# Allegro board OE19_pdb_1v01_b_0704_1000_customer.brd (continued)
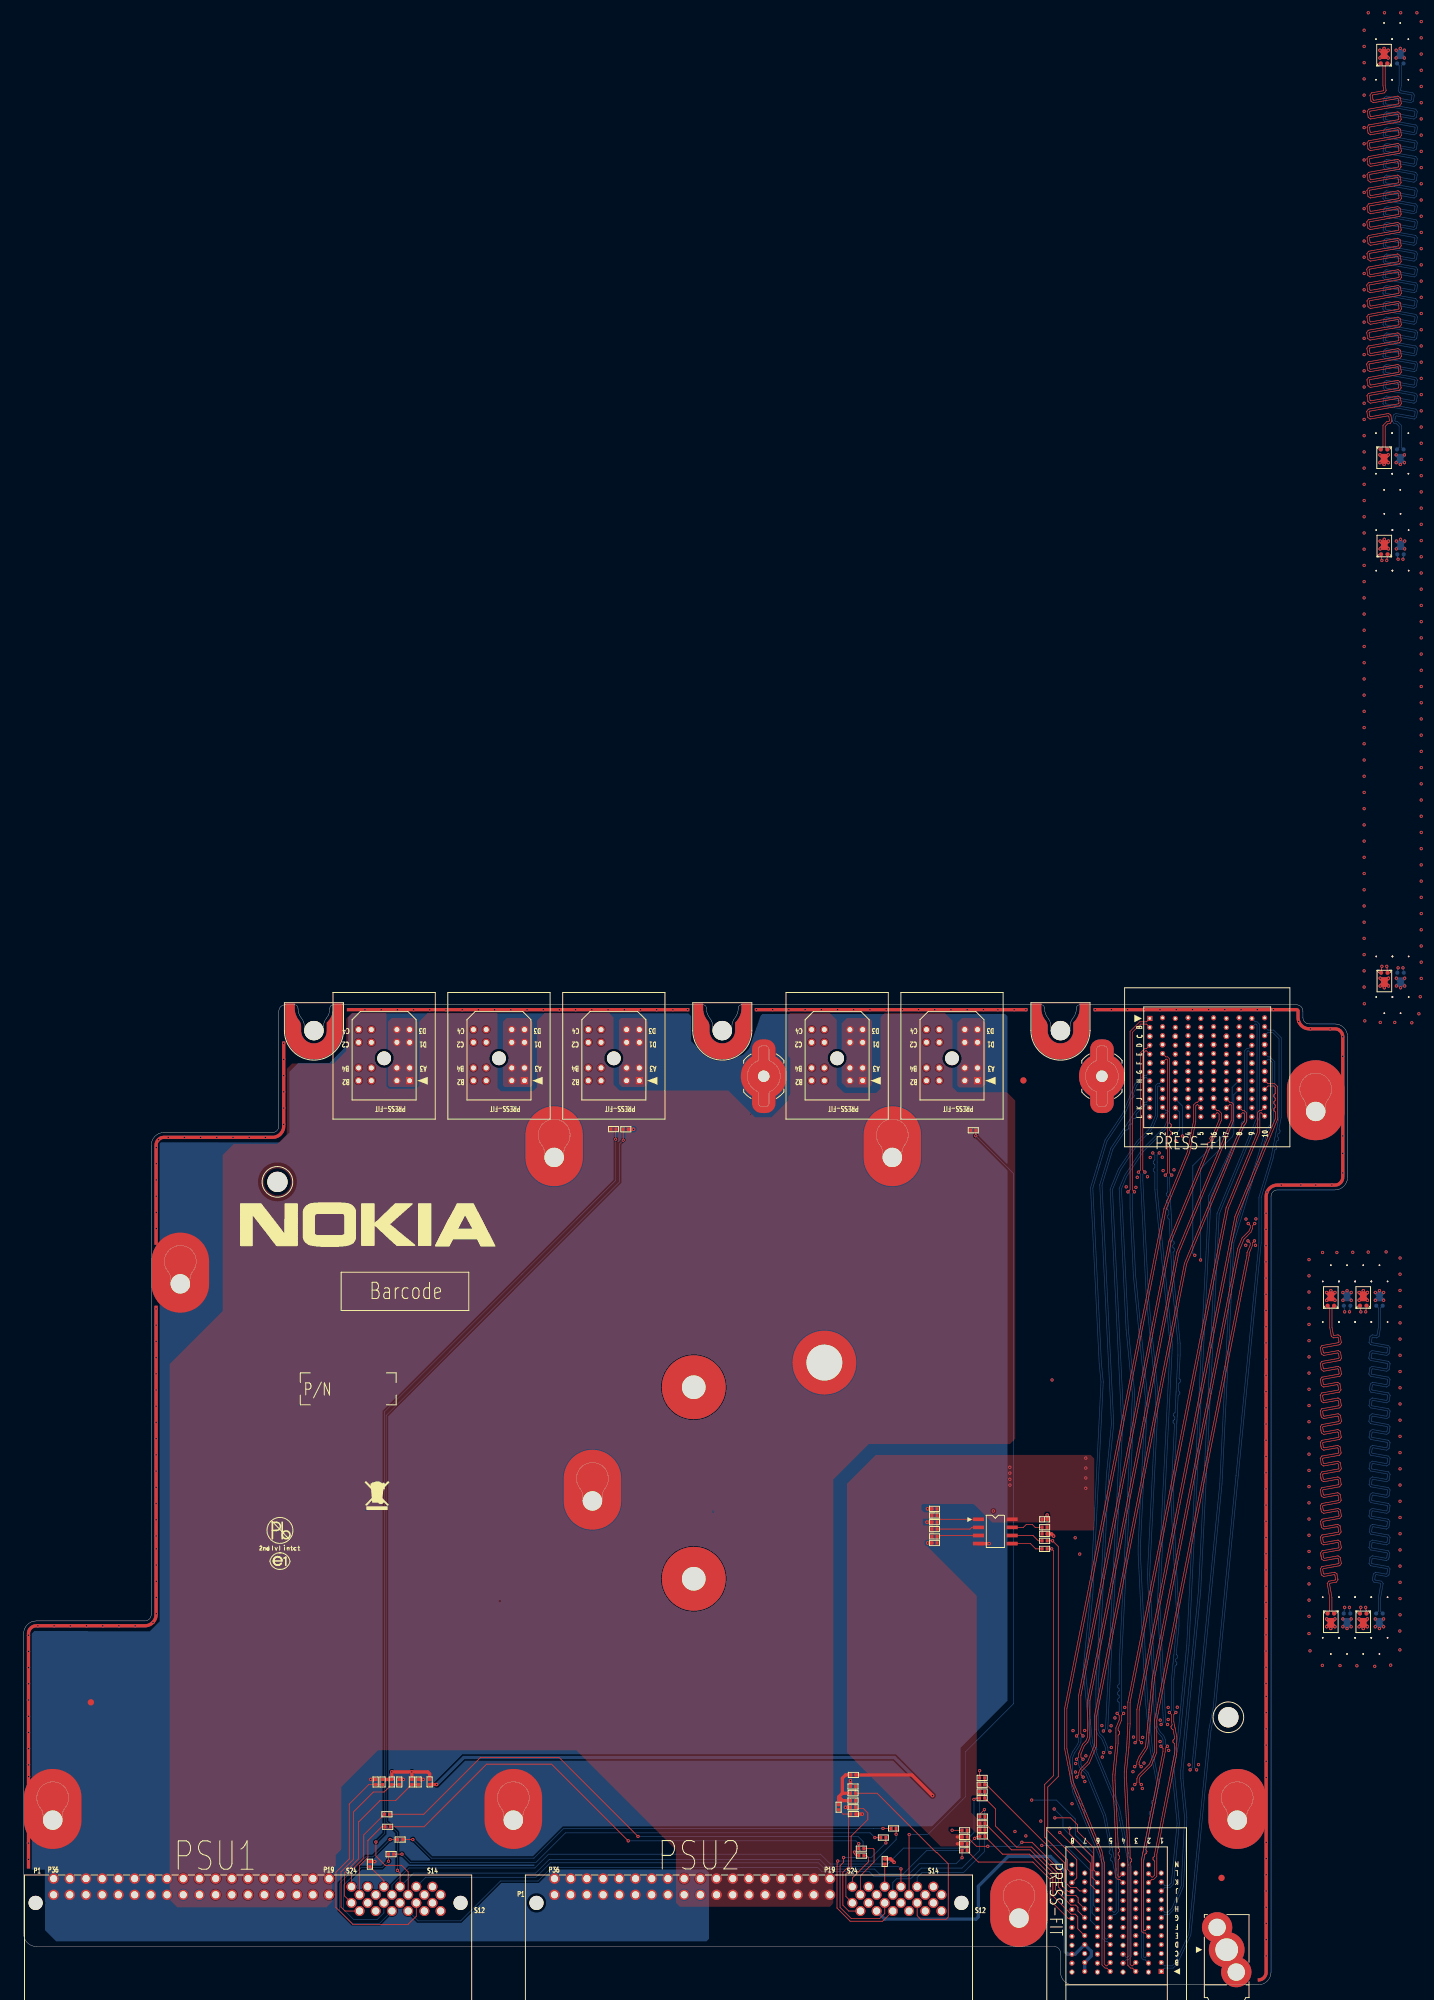
[diagram p0: board, top side]
## Routing (per net, layer and track width the routed paths; a pad name or vN(x,y) marks a point on that pad's centre or on a via; arc(x,y) is an arc through that point) (continued)
LAN_SLED2_MDIP1: length 142.4
  TOP w0.099: v1(174.72,127.3) 175.05,127.63 175.05,146 175.69,146.64 175.98,146.64 J1.D1 ; J9.E2 175.78,8.12 175.49,8.12 175.19,8.42 175.19,19.6 175.63,21.81 178.57,36.58 178.57,37.04 v1(178.24,37.37)
  BOTTOM w0.099: v1(178.24,37.37) 178.57,37.7 178.57,38.37 178.37,38.86 177.85,39.38 177.3,40.41 176.13,64.28 177.44,90.93 177.44,92.51 175.96,107.54 175.05,125.96 175.05,126.97 v1(174.72,127.3)
LAN_SLED2_MDIP2: length 141.9
  IN1 w0.114: J9.H2 176.79,12.29 177.13,12.29 177.59,12.75 177.59,18.29 179.57,28.24 180.41,36.77 180.41,37.64 180.26,38 179.75,38.76 179.82,39.09 179.66,39.34 179.32,39.41 178.99,39.91 178.99,40.48 v1(179.28,40.78)
  IN2 w0.114: J1.B2 178.99,149.57 179.34,149.57 179.73,149.17 179.73,134.96 179.08,133.37 178.35,132.64 177.68,131.04 177.68,130.41 177.8,130.29 v1(177.98,130.29)
  BOTTOM w0.099: v1(177.98,130.29) 177.65,129.96 177.65,124.56 180.04,100.29 178.06,60 178.95,41.88 178.95,41.11 v1(179.28,40.78)
LAN_SLED2_MDIP3: length 134
  TOP w0.099: J9.K2 176.82,16.52 177.11,16.52 177.6,17.01 177.6,20.41 180.72,36.13 180.72,36.13 180.72,38.89 180.26,41.24 180.26,42.33 v1(180.59,42.66) ; J1.E2 179.02,145.34 179.31,145.34 179.62,145.03 179.62,134.98 179.86,134.74 179.86,134.44 179.62,134.2 179.62,133.81 179.86,133.57 179.86,133.27 179.62,133.03 179.62,132.74 179.86,132.49 179.86,132.2 179.62,131.96 179.62,127.15 v1(179.95,126.82)
  BOTTOM w0.099: v1(179.95,126.82) 179.62,126.49 179.62,125.53 180.05,116.59 180.31,116.36 180.32,116.07 180.09,115.81 180.11,115.51 180.36,115.29 180.37,114.99 180.14,114.74 180.26,112.47 180.26,110.68 181.26,100.5 181.26,98.63 181.08,95 181.31,94.74 181.29,94.45 181.04,94.22 180.99,93.08 181.21,92.82 181.2,92.53 180.95,92.3 180.16,76.17 181.07,57.49 181.07,56.2 180.64,51.78 180.86,51.52 180.83,51.22 180.56,51.01 180.53,50.71 180.75,50.45 180.72,50.15 180.46,49.93 180.26,47.88 180.26,42.99 v1(180.59,42.66)
LAN_SLED3_MDIN0: length 139.2
  TOP w0.099: J1.K10 193.98,136.94 193.69,136.94 193.38,136.63 193.38,133.58 188.46,121.69 188.46,121.69 173.06,44.27 173.06,40.92 172.88,37.26 172.49,33.35 172.49,32.47 173.06,20.96 173.06,3.05 173.49,2.62 173.78,2.62 J9.A3
LAN_SLED3_MDIN1: length 141
  TOP w0.099: J1.H10 195.02,141.14 196.08,141.14 196.54,140.67 196.54,135.6 190.18,120.25 174.83,43.08 174.83,38.31 v1(175.2,37.93)
  IN1 w0.114: v1(175.2,37.93) 174.91,37.64 174.91,37.26 174.69,36.73 174.35,36.38 173.85,35.2 173.18,33.56 173.11,33.22 173.34,32.87 173.27,32.53 172.93,32.3 172.74,31.36 172.71,31.03 172.97,30.71 172.94,30.36 172.62,30.09 172.21,26 173.48,19.62 173.48,7.38 173.65,7.21 173.81,7.21 J9.E3
LAN_SLED3_MDIN2: length 136.5
  TOP w0.099: v1(174.13,34.17) 174.46,34.5 174.46,34.9 174.82,35.76 175.74,37.14 175.83,37.36 176.36,42.68 176.88,47.99 190.27,115.32 190.97,116.99 192.05,118.08 192.26,118.58 192.26,118.91 v1(191.93,119.24)
  IN1 w0.114: J1.H9 192.99,142.05 193.15,142.05 193.26,141.93 193.26,134.97 192.83,128.02 192.22,121.8 192.22,119.53 v1(191.93,119.24) ; J9.H3 174.79,11.41 174.95,11.41 175.08,11.55 175.08,19.21 175.35,20.57 175.86,25.72 175.6,26.03 175.63,26.38 175.95,26.65 175.99,27.09 175.73,27.41 175.77,27.76 176.08,28.02 176.25,29.65 175.88,31.49 175.56,32.26 174.43,33.39 174.43,33.87 v1(174.13,34.17)
LAN_SLED3_MDIN3: length 129.1
  TOP w0.099: v1(192.9,116.52) 192.59,116.21 192.59,115.81 192.08,114.58 192.08,114.25 177.59,41.38 177.59,36.39 176.76,34.38 175,32.63 174.84,32.23 174.84,31.7 v1(175.17,31.37)
  IN2 w0.114: v1(192.9,116.52) 192.61,116.82 192.61,117.12 192.79,117.56 193.87,118.63 194.04,119.04 194.04,120.47 193.08,130.23 193.69,136.47 193.69,137.91 193.33,138.27 192.99,138.27 J1.J9 ; v1(175.17,31.37) 174.87,31.08 174.87,29.77 175.55,22.91 175.55,15.61 175.13,15.19 174.79,15.19 J9.J3
LAN_SLED3_MDIP0: length 138.2
  TOP w0.099: J1.L10 193.98,136.58 193.84,136.58 193.74,136.48 193.74,133.51 188.8,121.58 173.41,44.24 173.41,40.91 173.23,37.24 172.85,33.33 172.85,32.48 173.41,20.97 173.41,19.9 173.65,19.66 173.65,19.36 173.41,19.12 173.41,3.2 173.64,2.98 173.78,2.98 J9.B3
LAN_SLED3_MDIP1: length 141.2
  TOP w0.099: J1.I10 195.02,140.78 195.93,140.78 196.19,140.53 196.19,139.63 195.95,139.39 195.95,139.09 196.19,138.85 196.19,138.55 195.95,138.31 195.95,138.01 196.19,137.77 196.19,137.47 195.95,137.23 195.95,136.94 196.19,136.69 196.19,135.67 189.84,120.35 174.48,43.12 174.48,38.22 v1(174.19,37.93)
  IN1 w0.114: J9.D3 173.81,6.79 173.47,6.79 173.06,7.21 173.06,19.57 171.78,25.98 172.32,31.44 172.77,33.69 173.52,35.51 173.98,36.62 174.33,36.97 174.48,37.35 174.48,37.64 v1(174.19,37.93)
LAN_SLED3_MDIP2: length 137.4
  TOP w0.099: v1(192.94,119.24) 192.61,118.91 192.61,118.51 192.35,117.88 191.27,116.79 190.61,115.22 177.23,47.94 176.18,37.28 176.05,36.97 175.14,35.6 174.82,34.83 174.82,34.5 v1(175.15,34.17)
  IN1 w0.114: J1.G9 192.99,142.47 193.33,142.47 193.69,142.11 193.69,134.94 193.69,134.94 193.26,127.98 192.65,121.78 192.65,119.53 v1(192.94,119.24) ; v1(175.15,34.17) 174.86,33.88 174.86,33.57 175.92,32.5 176.29,31.61 176.68,29.67 176.49,27.8 175.77,20.51 175.51,19.17 175.51,11.37 175.13,10.99 174.79,10.99 J9.G3
LAN_SLED3_MDIP3: length 128.1
  TOP w0.099: v1(174.15,31.37) 174.48,31.7 174.48,32.3 174.7,32.83 176.46,34.58 177.24,36.46 177.24,41.41 180.86,59.65 191.73,114.28 191.73,114.65 192.24,115.88 192.24,116.17 v1(191.89,116.52)
  IN2 w0.114: J9.K3 174.79,15.61 174.95,15.61 175.12,15.79 175.12,19.24 174.83,19.53 174.83,19.88 175.12,20.18 175.12,20.53 174.83,20.82 174.83,21.17 175.12,21.46 175.12,22.89 174.45,29.75 174.45,31.08 v1(174.15,31.37) ; J1.K9 192.99,137.85 193.15,137.85 193.26,137.73 193.26,136.49 192.65,130.23 193.61,120.45 193.61,119.13 193.51,118.88 192.43,117.8 192.18,117.2 192.18,116.82 v1(191.89,116.52)
LAN_SLED4_MDIN0: length 144.1
  BOTTOM w0.099: J1.H1 175.98,142.08 175.65,142.08 174.47,140.91 173.92,139.57 174.05,139.26 173.94,138.98 173.62,138.85 172.56,136.29 169.8,132.17 168.69,128.48 167.57,124.8 168.92,97.33 169.2,94.44 167.57,61.16 166.4,49.32 167.52,37.94 167.8,37.28 168.11,37.15 168.23,36.88 168.1,36.56 171.75,27.74 172.15,25.71 172.15,25.71 173.59,18.48 173.59,4.4 173.11,3.92 172.82,3.92 J9.B4
LAN_SLED4_MDIN1: length 135.7
  IN2 w0.114: J9.E4 172.79,8.09 173.13,8.09 173.53,8.49 173.53,19.45 172.89,22.67 171.69,25.58 169.97,34.23 169.97,36.07 v1(170.26,36.37)
  BOTTOM w0.099: v1(170.26,36.37) 169.93,36.7 169.93,37.13 169.25,38.77 168.69,39.33 168.4,40.02 168.4,46.33 170.05,79.76 170.85,87.89 169.01,125.26 170.72,130.89 172.71,133.86 173.04,133.93 173.21,134.17 173.14,134.51 173.3,134.76 173.64,134.82 173.8,135.07 173.74,135.41 173.9,135.65 174.24,135.72 174.4,135.97 174.34,136.3 174.5,136.55 175.84,137.88 175.98,137.88 J1.K1
LAN_SLED4_MDIN2: length 133.9
  IN1 w0.114: v1(170.24,39.76) 169.95,39.46 169.95,39.02 169.69,38.4 168.75,36.99 168.45,36.27 168.57,35.05 168.89,34.79 168.92,34.44 168.66,34.12 168.7,33.7 169.02,33.44 169.06,33.09 168.8,32.77 168.83,32.42 169.15,32.16 169.18,31.81 168.92,31.49 169.08,29.87 171.38,18.31 171.38,12.99 171.65,12.71 171.81,12.71 J9.I4
  BOTTOM w0.099: v1(170.24,39.76) 169.91,40.09 172.17,86.14 172.41,88.57 170.65,124.56 171.91,127.62 174.74,131.85 176.54,133.65 177.02,134.36 177.72,136.06 177.72,140.67 177.84,140.78 177.98,140.78 J1.I2
LAN_SLED4_MDIN3: length 125.8
  TOP w0.099: J9.K4 171.78,16.52 171.49,16.52 171.18,16.83 171.18,22.1 170.7,32.03 170.7,32.88 171.18,37.84 171.18,40.24 171.7,41.49 171.7,42.18 v1(171.37,42.51)
  BOTTOM w0.099: J1.L2 179.02,136.58 179.16,136.58 179.26,136.48 179.26,135.46 178.81,134.36 175.24,130.8 172.55,126.77 171.7,124.72 172.79,102.64 173.78,92.52 171.7,50.23 171.7,47.13 171.46,46.89 171.46,46.59 171.7,46.35 171.7,46.05 171.46,45.81 171.46,45.52 171.7,45.27 171.7,44.98 171.46,44.74 171.46,44.44 171.7,44.2 171.7,42.85 v1(171.37,42.51)
LAN_SLED4_MDIP0: length 143.7
  BOTTOM w0.099: J9.C4 172.82,4.28 172.96,4.28 173.24,4.55 173.24,18.45 171.78,25.77 171.78,25.79 171.78,25.79 171.76,25.87 171.41,27.63 167.18,37.85 166.05,49.32 167.22,61.18 168.85,94.43 168.57,97.31 167.21,124.84 169.48,132.32 172.25,136.46 174.15,141.04 174.17,141.11 175.5,142.44 175.98,142.44 J1.G1
LAN_SLED4_MDIP1: length 135.7
  IN2 w0.114: v1(169.25,36.37) 169.54,36.07 169.54,34.19 171.03,26.71 170.8,26.37 170.87,26.02 171.21,25.79 171.28,25.45 171.8,24.21 171.64,23.83 171.77,23.5 172.15,23.34 172.49,22.54 172.71,21.41 172.48,21.06 172.55,20.72 172.89,20.49 173.11,19.41 173.11,8.67 172.95,8.51 172.79,8.51 J9.F4
  BOTTOM w0.099: J1.J1 175.98,138.24 175.69,138.24 174.22,136.77 170.4,131.05 168.66,125.3 170.49,87.9 169.69,79.79 168.05,46.34 168.05,39.95 168.39,39.13 168.95,38.57 169.58,37.06 169.58,36.7 v1(169.25,36.37)
LAN_SLED4_MDIP2: length 134.4
  IN1 w0.114: v1(169.23,39.76) 169.52,39.46 169.52,39.11 169.31,38.61 168.37,37.19 168.01,36.34 168.66,29.81 170.95,18.27 170.95,12.81 171.47,12.29 171.81,12.29 J9.H4
  BOTTOM w0.099: v1(169.23,39.76) 169.56,40.09 171.82,86.17 172.06,88.58 170.29,124.62 171.6,127.79 174.46,132.07 176.27,133.87 176.71,134.53 177.37,136.13 177.37,140.82 177.69,141.14 177.98,141.14 J1.H2
LAN_SLED4_MDIP3: length 125.8
  TOP w0.099: v1(172.39,42.51) 172.06,42.18 172.06,41.42 171.54,40.17 171.54,39.87 171.78,39.63 171.78,39.33 171.54,39.09 171.54,37.82 171.05,32.87 171.05,32.05 171.54,22.11 171.54,21.44 171.78,21.2 171.78,20.9 171.54,20.66 171.54,20.36 171.78,20.12 171.78,19.82 171.54,19.58 171.54,16.98 171.64,16.88 171.78,16.88 J9.L4
  BOTTOM w0.099: v1(172.39,42.51) 172.06,42.85 172.06,50.22 174.14,92.53 173.14,102.67 172.06,124.66 172.86,126.6 175.52,130.57 179.11,134.16 179.62,135.39 179.62,136.63 179.31,136.94 179.02,136.94 J1.K2
LAN_SLED5_MDIN0: length 140.2
  TOP w0.099: J9.B5 169.78,2.98 169.64,2.98 169.36,3.26 169.36,19.17 168.99,20.99 164.56,31.68 163.5,37.03 163.5,43.24 179.07,121.53 179.07,121.53 182.74,130.38 183.71,135.26 183.71,137.66 183.93,137.88 183.98,137.88 J1.K5
LAN_SLED5_MDIN1: length 137.1
  TOP w0.099: v1(166.04,38.99) 166.04,39 165.7,39.34 165.7,45.28 179.84,116.4 186.59,132.7 187.72,135.42 187.72,136.53 187.31,136.94 187.02,136.94 J1.K6
  BOTTOM w0.099: v1(166.04,38.99) 165.71,38.65 165.71,38.04 165.46,37.44 164.72,36.33 164.36,35.47 164.36,32.41 164.8,30.17 165.08,29.5 165.39,29.37 165.51,29.1 165.38,28.78 165.49,28.51 165.8,28.38 165.92,28.1 165.79,27.79 165.9,27.51 166.22,27.38 166.33,27.11 166.2,26.79 169.43,18.98 169.43,7.38 169.64,7.18 169.78,7.18 J9.E5
LAN_SLED5_MDIN2: length 133.7
  TOP w0.099: v1(165.02,35.33) 165.35,35.67 165.35,36.21 165.96,37.68 166.49,38.2 166.76,38.85 166.76,44.56 180.72,114.77 189.26,135.4 189.26,137.78 189.16,137.88 189.02,137.88 J1.K7
  BOTTOM w0.099: J9.H5 170.82,11.38 170.96,11.38 171.22,11.63 171.22,16.51 170.66,19.31 170.38,19.49 170.32,19.79 170.51,20.07 170.45,20.36 170.17,20.55 170.11,20.84 170.3,21.13 169.24,26.45 167.22,31.33 167.22,31.33 166.51,33.05 165.51,34.04 165.35,34.44 165.35,35 v1(165.02,35.33)
LAN_SLED5_MDIN3: length 128.3
  TOP w0.099: J1.L8 191.02,136.58 191.16,136.58 191.33,136.42 191.33,135.3 191.25,135.11 190.98,134.84 181.93,112.99 167.81,42.03 167.81,37.51 166.74,34.92 165.58,33.76 165.37,33.25 165.37,32.87 v1(165.04,32.54)
  IN2 w0.114: v1(165.04,32.54) 165.33,32.24 165.33,31.59 171.12,17.61 171.12,15.79 170.95,15.61 170.79,15.61 J9.K5
LAN_SLED5_MDIP0: length 141.3
  TOP w0.099: J1.J5 183.98,138.24 183.78,138.24 183.35,137.81 183.35,135.29 182.4,130.48 178.73,121.64 178.73,121.63 178.72,121.59 163.15,43.28 163.15,37 164.22,31.58 168.65,20.89 169,19.13 169,3.11 169.49,2.62 169.78,2.62 J9.A5
LAN_SLED5_MDIP1: length 136.9
  TOP w0.099: J1.L6 187.02,136.58 187.16,136.58 187.37,136.38 187.37,135.49 186.32,132.97 186.01,132.84 185.89,132.56 186.02,132.25 185.91,131.97 185.6,131.84 185.48,131.57 185.61,131.25 182.77,124.39 182.77,124.39 179.5,116.51 165.34,45.32 165.34,39.31 v1(165.02,38.99)
  BOTTOM w0.099: J9.D5 169.78,6.82 169.49,6.82 169.08,7.23 169.08,18.91 164.46,30.06 164,32.37 164,35.54 164.4,36.5 165.14,37.61 165.35,38.11 165.35,38.65 v1(165.02,38.99)
LAN_SLED5_MDIP2: length 134.5
  TOP w0.099: J1.J7 189.02,138.24 189.31,138.24 189.62,137.93 189.62,135.33 181.06,114.67 167.11,44.53 167.11,38.78 166.79,38 166.26,37.48 165.7,36.14 165.7,35.67 v1(166.04,35.33)
  BOTTOM w0.099: v1(166.04,35.33) 165.7,35 165.7,34.51 165.81,34.24 166.81,33.25 167.49,31.6 167.49,31.6 169.58,26.55 171.57,16.55 171.57,11.49 171.11,11.02 170.82,11.02 J9.G5
LAN_SLED5_MDIP3: length 129.6
  TOP w0.099: v1(166.06,32.54) 165.72,32.87 165.72,33.18 165.88,33.56 167.04,34.72 168.16,37.44 168.16,41.99 182.27,112.89 191.28,134.64 191.54,134.91 191.68,135.23 191.68,136.57 191.31,136.94 191.02,136.94 J1.K8
  IN2 w0.114: v1(166.06,32.54) 165.76,32.24 165.76,31.67 171.55,17.7 171.55,15.61 171.13,15.19 170.79,15.19 J9.J5
PD_PSU1_A0: length 25.9
  TOP w0.114: R2298.1 R2297.2 60.82,31.37 58.29,28.85 55.83,28.85 52.48,25.49 52.48,19.73 50.28,17.53 50.28,13.93 JP1.S1
PD_PSU1_A1: length 27.8
  TOP w0.114: JP1.S2 50.36,11.56 49.74,12.18 49.74,17.71 51.71,19.67 51.71,27.08 54.82,30.2 56.5,30.2 57.67,31.37 R13.2 R21.1
PD_PSU1_A2: length 39.9
  TOP w0.114: R15.2 R24.1 54.09,31.37 51.04,28.32 51.04,19.73 48.94,17.64 48.94,12.12 51.59,9.47 60.26,9.47 61.54,10.75 JP1.S9
PD_PSU1_PSON_N: length 4
  TOP w0.114: JP1.S20 56.46,16.31 R39.1
PD_PSU2_A0: length 19.3
  TOP w0.114: R23.2 130.39,28.42 130.4,28.41 R25.1 130.6,27.61 131.61,27.61 132.31,26.92 132.31,25.9 129.68,23.28 129.68,18.2 128.87,17.38 128.87,13.84 JP2.S1
PD_PSU2_A1: length 20.1
  TOP w0.114: R1.2 127.75,27.42 128.43,26.74 R37.1 129.26,26.37 129.26,18.5 128.39,17.63 128.39,12.48 129.31,11.56 JP2.S2
PD_PSU2_A2: length 35.7
  TOP w0.114: JP2.S9 140.04,10.82 140.6,10.27 144.56,10.27 144.91,10.62 144.91,18.95 143.16,20.7 143.06,20.7 133.75,30.01 R3.2 130.39,30.61 130.39,30.62 R40.1
PD_PSU2_PSON_N: length 3.6
  TOP w0.114: JP2.S20 134.96,18.93 R41.1
PSU1_HOTSTANDBYEN_H: length 22.5
  TOP w0.114: R38.2 v1(57.19,19.37)
  BOTTOM w0.114: v1(57.19,19.37) 56.17,18.36 52.88,18.36 50.14,15.62 50.14,11.81 51.74,10.21 55.4,10.21 56.46,11.27 JP1.S5
PSU1_ISHARE: length 26.1
  TOP w0.114: v1(57.44,22.76) R5.2
  BOTTOM w0.114: JP1.S6 55.76,9.6 51.57,9.6 49.51,11.66 49.51,15.9 53.66,20.05 54.73,20.05 v1(57.44,22.76)
PSU1_REMOTE_SENSE_P: length 139.1
  TOP w0.114: JP1.S17 60.27,17.69 59.24,18.72 56.67,18.72 55.21,20.17 v1(55.21,22.37) ; R26.2 92.79,133.98 v1(92.79,132.45)
  BOTTOM w0.114: v1(55.21,22.37) 56.56,23.72 56.56,89.75 92.79,125.99 v1(92.79,132.45)
PSU2_HOTSTANDBYEN_H: length 26.2
  TOP w0.114: JP2.S5 134.96,11.17 134.15,10.36 129.72,10.36 127.95,12.13 127.95,18.65 128.51,19.2 v1(128.51,19.93) ; R6.2 v1(135.14,22.24)
  BOTTOM w0.114: v1(128.51,19.93) 132.83,19.93 v1(135.14,22.24)
PSU2_ISHARE: length 30
  TOP w0.114: v1(127.59,19.39) 127.49,19.29 127.49,18.55 127.48,18.54 127.48,12.03 129.54,9.96 134.63,9.96 JP2.S6 ; R7.2 v1(136.74,23.59)
  BOTTOM w0.114: v1(136.74,23.59) 136.74,22.74 133.4,19.39 v1(127.59,19.39)
PSU2_REMOTE_SENSE_P: length 130.7
  TOP w0.114: R27.2 v1(149.23,132.98) ; v1(138.79,23.54) 138.77,23.52 JP2.S17
  BOTTOM w0.114: v1(138.79,23.54) 141.69,23.54 147.64,29.49 147.64,36.53 155.16,44.04 155.16,127.05 v1(149.23,132.98)
PSU_HOTSTANDBYEN_H: length 79.1
  TOP w0.114: R6.1 v1(133.41,23.07) ; R38.1 v1(59.3,20.47)
  BOTTOM w0.114: v1(133.41,23.07) 132.67,23.81 84.92,23.81 80.28,19.16 60.61,19.16 v1(59.3,20.47)
PSU_ISHARE: length 79.7
  TOP w0.114: R7.1 v1(134.69,24.5) ; R5.1 v1(61,22.76)
  BOTTOM w0.114: v1(134.69,24.5) 133.25,24.5 133.25,24.5 84.64,24.5 79.97,19.84 63.92,19.84 v1(61,22.76)
PSU_REMOTE_SENSE_R: length 218.6
  TOP w0.114: v1(137.5,18.16) JP2.S18 ; JP1.S18 59,17.51 v1(58.57,17.94) ; R32.1 v1(93.98,132.29)
  BOTTOM w0.114: v1(137.5,18.16) 137.11,18.55 125.86,18.55 124.76,19.65 82.4,19.65 80.24,17.5 61.12,17.5 JP1.S18 ; v1(58.57,17.94) 58.57,23.85 56.82,25.6 56.82,89.18 93.38,125.74 93.38,131.69 v1(93.98,132.29)
PWR_PSU1_PWROK: length 25.9
  TOP w0.114: R29.2 R16.2 150.66,23.23 153.42,20.47 157.66,20.47 161.3,16.82 161.3,13.93 164.16,11.07 164.81,11.07 165.21,10.67 165.21,8.79 J9.E7
PWR_PSU1_PWROK_R: length 93
  TOP w0.114: v1(149.05,22.93) 149.37,23.26 R16.1
  BOTTOM w0.114: JP1.S16 63.01,16.84 80.29,16.84 82.57,19.12 124.56,19.12 125.55,18.13 133.36,18.13 134.14,17.35 137.85,17.35 141.52,21.02 147.14,21.02 v1(149.05,22.93)
PWR_PSU2_PWROK: length 24.5
  TOP w0.114: J9.G7 165.24,11.56 165.24,12.15 164.9,12.49 164.13,12.49 161.73,14.88 161.73,17.15 157.74,21.14 154.82,21.14 R31.2 R17.2
PWR_PSU2_PWROK_R: length 21.7
  TOP w0.114: v1(150.58,27.45) 149.86,26.73 R17.1
  BOTTOM w0.114: JP2.S16 140.04,16.82 140.83,17.61 147.33,17.61 150.58,20.86 v1(150.58,27.45)
SMB_BBU_ALERT_N: length 159.1
  IN2 w0.127: J9.H8 165.27,12.77 165.27,18.91 164.04,20.14 162.84,20.14 155.84,27.14 155.84,92.34 189.67,126.17 189.67,150.19 J1.A7
SMB_PDB_FRU_SCL: length 5
  TOP w0.114: R1126.1 159.03,69.55 158.19,70.38 U32.6
SMB_PDB_FRU_SDA: length 5
  TOP w0.114: R1127.1 158.61,68.29 157.79,69.11 U32.5
SMB_PMBUS_SCL: length 285.3
  TOP w0.114: v1(94.75,22.55) 82.74,34.56 72.56,34.56 62.75,24.75 R8.2 ; R10.2 v1(130.89,22.11)
  IN2 w0.127: J1.D7 187.25,145.91 187.25,126.31 152.49,91.55 152.49,24.41 161.45,15.45 161.45,10.45 J9.E8 163.16,7.6 160.78,9.98 160.78,15.3 156.97,19.11 145.87,19.11 144.28,20.7 132.3,20.7 v1(130.89,22.11)
  BOTTOM w0.114: v1(94.75,22.55) 130.44,22.55 v1(130.89,22.11)
SMB_PMBUS_SDA: length 288.6
  TOP w0.114: R9.2 62.72,26.72 71.61,35.61 83.92,35.61 v1(96.29,23.24) ; R11.2 130.46,20.24 130.21,20.49 v1(130.21,20.79)
  IN2 w0.127: J1.E7 187.69,144.95 187.69,126.14 153.54,91.99 153.54,24.4 162.23,15.71 162.23,11.07 J9.F8 165.02,8.28 165.02,7.32 164.53,6.83 163.21,6.83 160.32,9.71 160.32,15.03 156.72,18.63 145.29,18.63 144.17,19.76 131.25,19.76 v1(130.21,20.79)
  BOTTOM w0.114: v1(96.29,23.24) 130.77,23.24 131.57,22.45 131.57,21.52 130.83,20.79 v1(130.21,20.79)
SMB_PSU1_SCL: length 12.6
  TOP w0.114: R8.1 56.11,24.75 53.96,22.6 53.96,19.97 52.65,18.66 JP1.S23
SMB_PSU1_SDA: length 13.5
  TOP w0.114: JP1.S24 51.38,17.97 53.31,19.9 53.31,23.49 R9.1
SMB_PSU2_SCL: length 9.6
  TOP w0.114: R10.1 133.17,21.33 133.29,21.21 133.29,19.23 131.15,17.1 JP2.S23
SMB_PSU2_SDA: length 6.4
  TOP w0.114: R11.1 132.12,20.24 132.4,19.96 132.4,19.25 129.88,16.73 JP2.S24
SMB_SLED_COMBINE_SCL: length 142.4
  TOP w0.114: J9.K8 165.05,16.75 165.05,19.58 160.51,24.13 160.51,30.98 162.16,32.63 162.16,68.65 v1(161.26,69.55) R1126.2
  IN1 w0.127: v1(161.26,69.55) 159.22,71.59 159.22,102.61 183.23,126.61 183.23,141.69 J1.G5
SMB_SLED_COMBINE_SDA: length 138.8
  TOP w0.114: R1127.2 v1(161.12,68.29) 161.42,67.98 161.42,32.78 160.03,31.39 160.03,23.14 163.58,19.59 163.58,18.12 J9.L8
  IN1 w0.127: v1(161.12,68.29) 161.9,69.07 161.9,70.53 159.73,72.7 159.73,102.4 183.72,126.38 183.72,140.78 J1.H5
TGND: length 71.2
  TOP w0.508: J32.3 v1(213.21,303.29) ; J32.3 213.19,302.39 ; J32.3 213.24,302.39 ; 213.23,225.5 213.2,225.5 v1(212.61,224.91) ; 213.23,225.5 v1(212.61,226.13) ; 213.23,225.5 J25.3 ; 213.19,302.39 v1(212.57,303.01) ; 213.19,302.39 213.16,302.39 v1(212.57,301.79) ; 213.28,225.5 213.31,225.5 v1(213.9,224.91) ; 213.28,225.5 J25.3 ; 213.28,225.5 v1(213.9,226.13) ; 209.98,56.71 210,56.71 v1(210.6,57.31) ; 209.98,56.71 J13.3 ; 209.98,56.71 v1(210.6,56.09) ; J20.3 204.9,107.82 ; J20.3 204.85,107.82 ; J20.3 v1(204.88,108.72) ; 204.9,107.82 v1(205.52,108.44) ; 204.9,107.82 204.93,107.82 v1(205.52,107.22) ; v1(209.31,107.22) 209.91,107.82 209.93,107.82 ; v1(204.22,57.31) 204.82,56.71 204.84,56.71 ; J14.3 v1(204.87,55.81) ; J14.3 204.84,56.71 ; J14.3 204.9,56.71 ; v1(204.23,107.22) 204.83,107.82 204.85,107.82 ; 213.24,302.39 v1(213.86,303.01) ; 213.24,302.39 213.27,302.39 v1(213.86,301.79) ; J25.3 v1(213.25,226.4) ; 213.23,157.07 213.21,157.07 v1(212.61,157.67) ; 213.23,157.07 J31.3 ; 213.23,157.07 v1(212.61,156.45) ; 209.93,107.82 J19.3 ; 209.93,107.82 v1(209.31,108.44) ; 204.9,56.71 204.92,56.71 v1(205.52,57.31) ; 204.9,56.71 v1(205.52,56.09) ; 204.84,56.71 v1(204.22,56.09) ; J13.3 v1(209.95,55.81) ; J13.3 209.92,56.71 ; v1(213.87,239.63) 213.27,239.03 213.24,239.03 ; J26.3 213.24,239.03 ; J26.3 v1(213.22,238.13) ; J26.3 213.19,239.03 ; 213.24,239.03 v1(213.87,238.41) ; 213.19,239.03 v1(212.57,238.41) ; 213.19,239.03 213.17,239.03 v1(212.57,239.63) ; 204.85,107.82 v1(204.23,108.44) ; J19.3 v1(209.96,108.72) ; J19.3 209.98,107.82 ; J31.3 v1(213.26,156.17) ; J31.3 213.28,157.07 ; v1(210.6,107.22) 210.01,107.82 209.98,107.82 ; 213.28,157.07 213.31,157.07 v1(213.91,157.67) ; 213.28,157.07 v1(213.91,156.45) ; 209.98,107.82 v1(210.6,108.44) ; 209.92,56.71 209.9,56.71 v1(209.3,57.31) ; 209.92,56.71 v1(209.3,56.09)
  BOTTOM w0.508: 212.47,107.82 212.45,107.82 v1(211.85,107.22) ; 212.47,107.82 v1(211.85,108.44) ; 212.47,107.82 J18.3 ; J21.3 207.44,107.82 ; J21.3 v1(207.42,108.72) ; J21.3 207.39,107.82 ; 207.44,107.82 207.47,107.82 v1(208.06,107.22) ; 207.44,107.82 v1(208.06,108.44) ; 207.38,56.71 v1(206.76,56.09) ; 207.38,56.71 207.36,56.71 v1(206.76,57.31) ; 207.38,56.71 J15.3 ; J33.3 215.82,157.07 ; J33.3 215.77,157.07 ; J33.3 v1(215.8,156.17) ; 215.82,157.07 215.85,157.07 v1(216.45,157.67) ; 215.82,157.07 v1(216.45,156.45) ; 215.82,225.5 v1(216.44,226.13) ; 215.82,225.5 215.85,225.5 v1(216.44,224.91) ; 215.82,225.5 J27.3 ; v1(215.15,224.91) 215.74,225.5 215.77,225.5 ; J24.3 215.73,302.39 ; J24.3 215.78,302.39 ; J24.3 v1(215.75,303.29) ; 215.73,302.39 v1(215.11,303.01) ; 215.73,302.39 215.7,302.39 v1(215.11,301.79) ; J27.3 v1(215.79,226.4) ; J27.3 215.77,225.5 ; 215.77,157.07 215.75,157.07 v1(215.15,157.67) ; 215.77,157.07 v1(215.15,156.45) ; 215.78,302.39 215.81,302.39 v1(216.4,301.79) ; 215.78,302.39 v1(216.4,303.01) ; J30.3 215.73,239.03 ; J30.3 v1(215.76,238.13) ; J30.3 215.78,239.03 ; 215.73,239.03 v1(215.11,238.41) ; 215.73,239.03 215.71,239.03 v1(215.11,239.63) ; v1(208.06,57.31) 207.46,56.71 207.44,56.71 ; 212.52,107.82 212.55,107.82 v1(213.14,107.22) ; 212.52,107.82 v1(213.14,108.44) ; 212.52,107.82 J18.3 ; J12.3 212.46,56.71 ; J12.3 212.52,56.71 ; J12.3 v1(212.49,55.81) ; 212.46,56.71 v1(211.84,56.09) ; 212.46,56.71 212.44,56.71 v1(211.84,57.31) ; 212.52,56.71 v1(213.14,56.09) ; 212.52,56.71 212.54,56.71 v1(213.14,57.31) ; 207.44,56.71 J15.3 ; 207.44,56.71 v1(208.06,56.09) ; 207.39,107.82 207.37,107.82 v1(206.77,107.22) ; 207.39,107.82 v1(206.77,108.44) ; J18.3 v1(212.5,108.72) ; 215.78,239.03 215.81,239.03 v1(216.41,239.63) ; 215.78,239.03 v1(216.41,238.41) ; 215.77,225.5 v1(215.15,226.13) ; J15.3 v1(207.41,55.81)
  vias: v1(201.45,113.59) v1(201.45,111.05) v1(201.45,108.51) v1(201.45,105.97) v1(201.45,103.43) v1(201.45,100.89) v1(201.45,98.35) v1(201.45,95.81) v1(201.45,93.27) v1(201.45,90.73) v1(201.45,88.19) v1(201.45,85.65) v1(201.45,83.11) v1(201.45,80.57) v1(201.45,78.03) v1(201.45,75.49) v1(201.45,72.95) v1(201.45,70.41) v1(201.45,67.87) v1(201.45,65.33) v1(201.45,62.79) v1(201.45,60.25) v1(201.45,57.71) v1(201.45,55.02) v1(201.61,52.31) v1(203.54,50.04) v1(203.58,114.7) v1(205.82,114.7) v1(206.31,50.01) v1(208.31,114.73) v1(208.96,49.98) v1(210.09,306.14) v1(210.09,303.6) v1(210.09,301.06) v1(210.09,298.52) v1(210.09,295.98) v1(210.09,293.44) v1(210.09,290.9) v1(210.09,288.36) v1(210.09,285.82) v1(210.09,283.28) v1(210.09,280.74) v1(210.09,278.2) v1(210.09,275.66) v1(210.09,273.12) v1(210.09,270.58) v1(210.09,268.04) v1(210.09,265.5) v1(210.09,262.96) v1(210.09,260.42) v1(210.09,257.88) v1(210.09,255.34) v1(210.09,252.8) v1(210.09,250.26) v1(210.09,247.72) v1(210.09,245.18) v1(210.09,242.64) v1(210.09,240.1) v1(210.09,237.56) v1(210.09,235.02) v1(210.09,232.48) v1(210.09,229.94) v1(210.09,227.4) v1(210.09,224.86) v1(210.09,222.32) v1(210.09,219.78) v1(210.09,217.24) v1(210.09,214.7) v1(210.09,212.16) v1(210.09,209.62) v1(210.09,207.08) v1(210.09,204.54) v1(210.09,202) v1(210.09,199.46) v1(210.09,196.92) v1(210.09,194.38) v1(210.09,191.84) v1(210.09,189.3) v1(210.09,186.76) v1(210.09,184.22) v1(210.09,181.68) v1(210.09,179.14) v1(210.09,176.6) v1(210.09,174.06) v1(210.09,171.52) v1(210.09,168.98) v1(210.09,166.44) v1(210.09,163.9) v1(210.09,161.36) v1(210.09,158.82) v1(210.09,156.28) v1(210.12,153.66) v1(210.19,150.98) v1(210.74,308.87) v1(210.74,114.76) v1(211.75,49.89) v1(212.61,150.74) v1(213.28,308.87) v1(213.54,114.79) v1(214.24,50.07) v1(214.89,150.74) v1(215.72,113.84) v1(215.72,111.3) v1(215.72,108.76) v1(215.72,106.22) v1(215.72,103.68) v1(215.72,101.14) v1(215.72,98.6) v1(215.72,96.06) v1(215.72,93.52) v1(215.72,90.98) v1(215.72,88.44) v1(215.72,85.9) v1(215.72,83.36) v1(215.72,80.82) v1(215.72,78.28) v1(215.72,75.74) v1(215.72,73.2) v1(215.72,70.66) v1(215.72,68.12) v1(215.72,65.58) v1(215.72,63.04) v1(215.72,60.5) v1(215.72,57.96) v1(215.69,55.42) v1(215.69,52.47) v1(215.82,308.87) v1(217.57,150.68) v1(218.36,308.87) v1(218.67,152.09) v1(218.89,154.77) v1(219.04,307.49) v1(219.04,304.95) v1(219.04,302.41) v1(219.04,299.87) v1(219.04,297.33) v1(219.04,294.79) v1(219.04,292.25) v1(219.04,289.71) v1(219.04,287.17) v1(219.04,284.63) v1(219.04,282.09) v1(219.04,279.55) v1(219.04,277.01) v1(219.04,274.47) v1(219.04,271.93) v1(219.04,269.39) v1(219.04,266.85) v1(219.04,264.31) v1(219.04,261.77) v1(219.04,259.23) v1(219.04,256.69) v1(219.04,254.15) v1(219.04,251.61) v1(219.04,249.07) v1(219.04,246.53) v1(219.04,243.99) v1(219.04,241.45) v1(219.04,238.91) v1(219.04,236.37) v1(219.04,233.83) v1(219.04,231.29) v1(219.04,228.75) v1(219.04,226.21) v1(219.04,223.67) v1(219.04,221.13) v1(219.04,218.59) v1(219.04,216.05) v1(219.04,213.51) v1(219.04,210.97) v1(219.04,208.43) v1(219.04,205.89) v1(219.04,203.35) v1(219.04,200.81) v1(219.04,198.27) v1(219.04,195.73) v1(219.04,193.19) v1(219.04,190.65) v1(219.04,188.11) v1(219.04,185.57) v1(219.04,183.03) v1(219.04,180.49) v1(219.04,177.95) v1(219.04,175.41) v1(219.04,172.87) v1(219.04,170.33) v1(219.04,167.79) v1(219.04,165.25) v1(219.04,162.71) v1(219.04,160.17) v1(219.04,157.63)
